# Altium PCB BMS Slave V0.1.PcbDoc (part 1 of 6)
Units mm, origin at the board's own origin, x right, y up, seen from the top; angles counter-clockwise.
Board outline 105 x 163 mm, 4 copper layers (Top Layer, L2 (GND), L3 (PWR), Bottom Layer), stack 1.56 mm thick; 517 components, 382 nets, 1358 pads, 1315 vias.
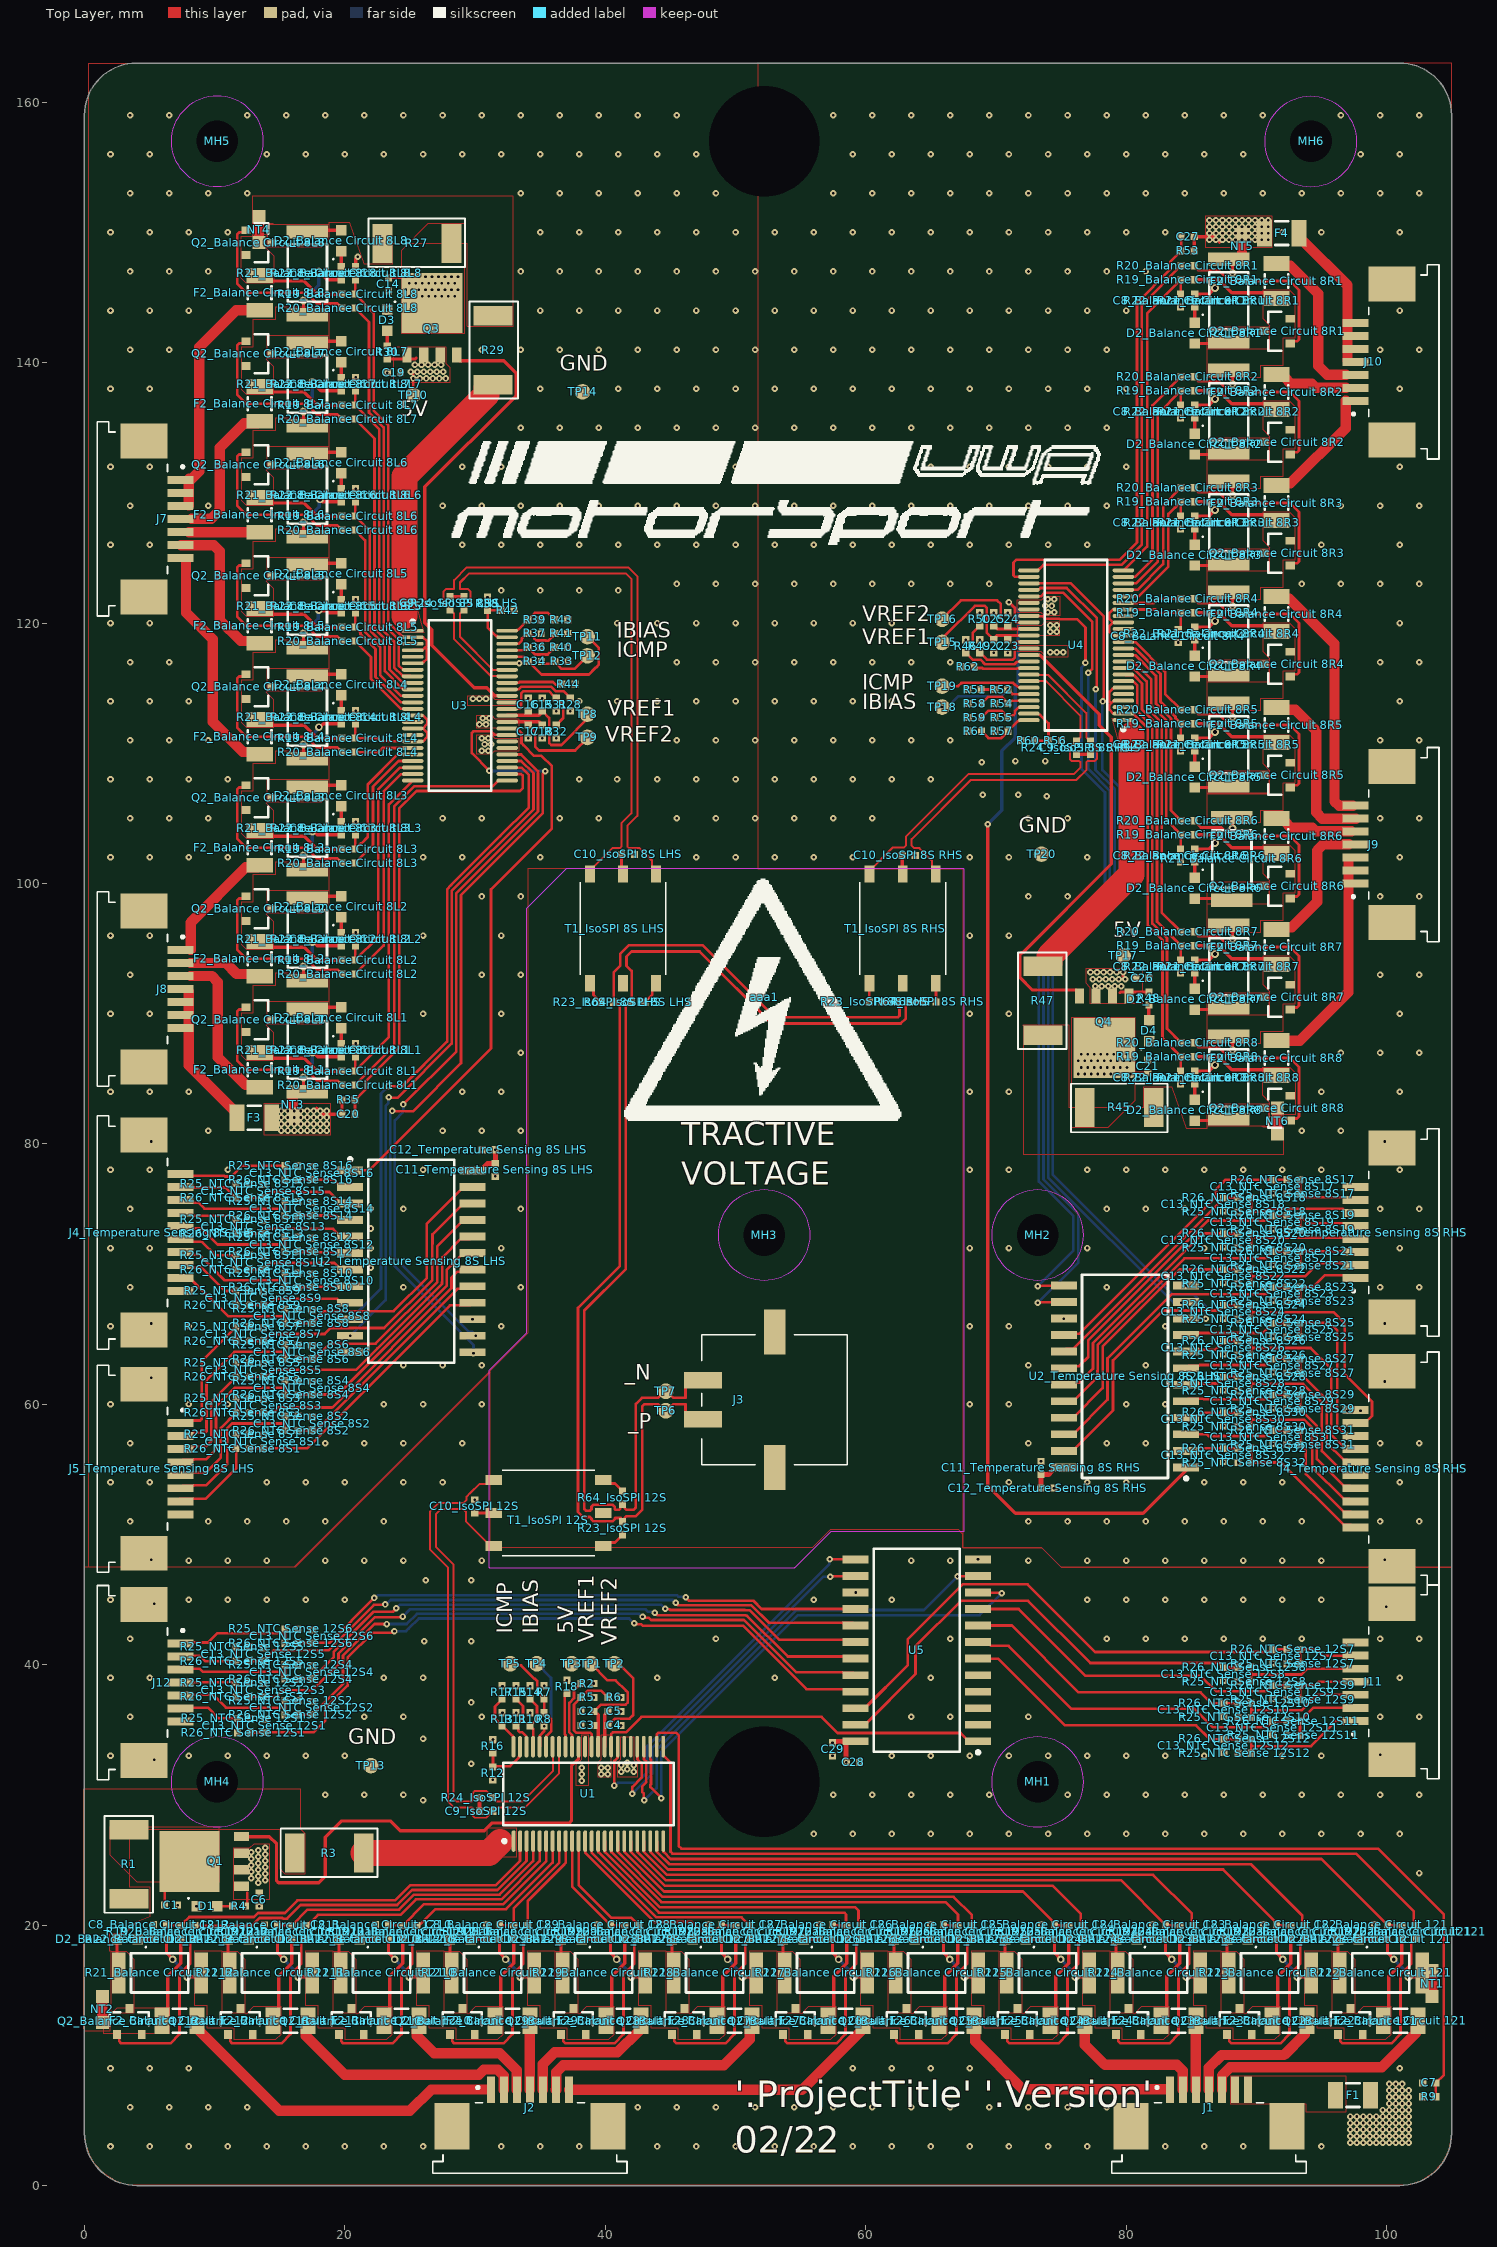
[diagram p0: Top Layer view]
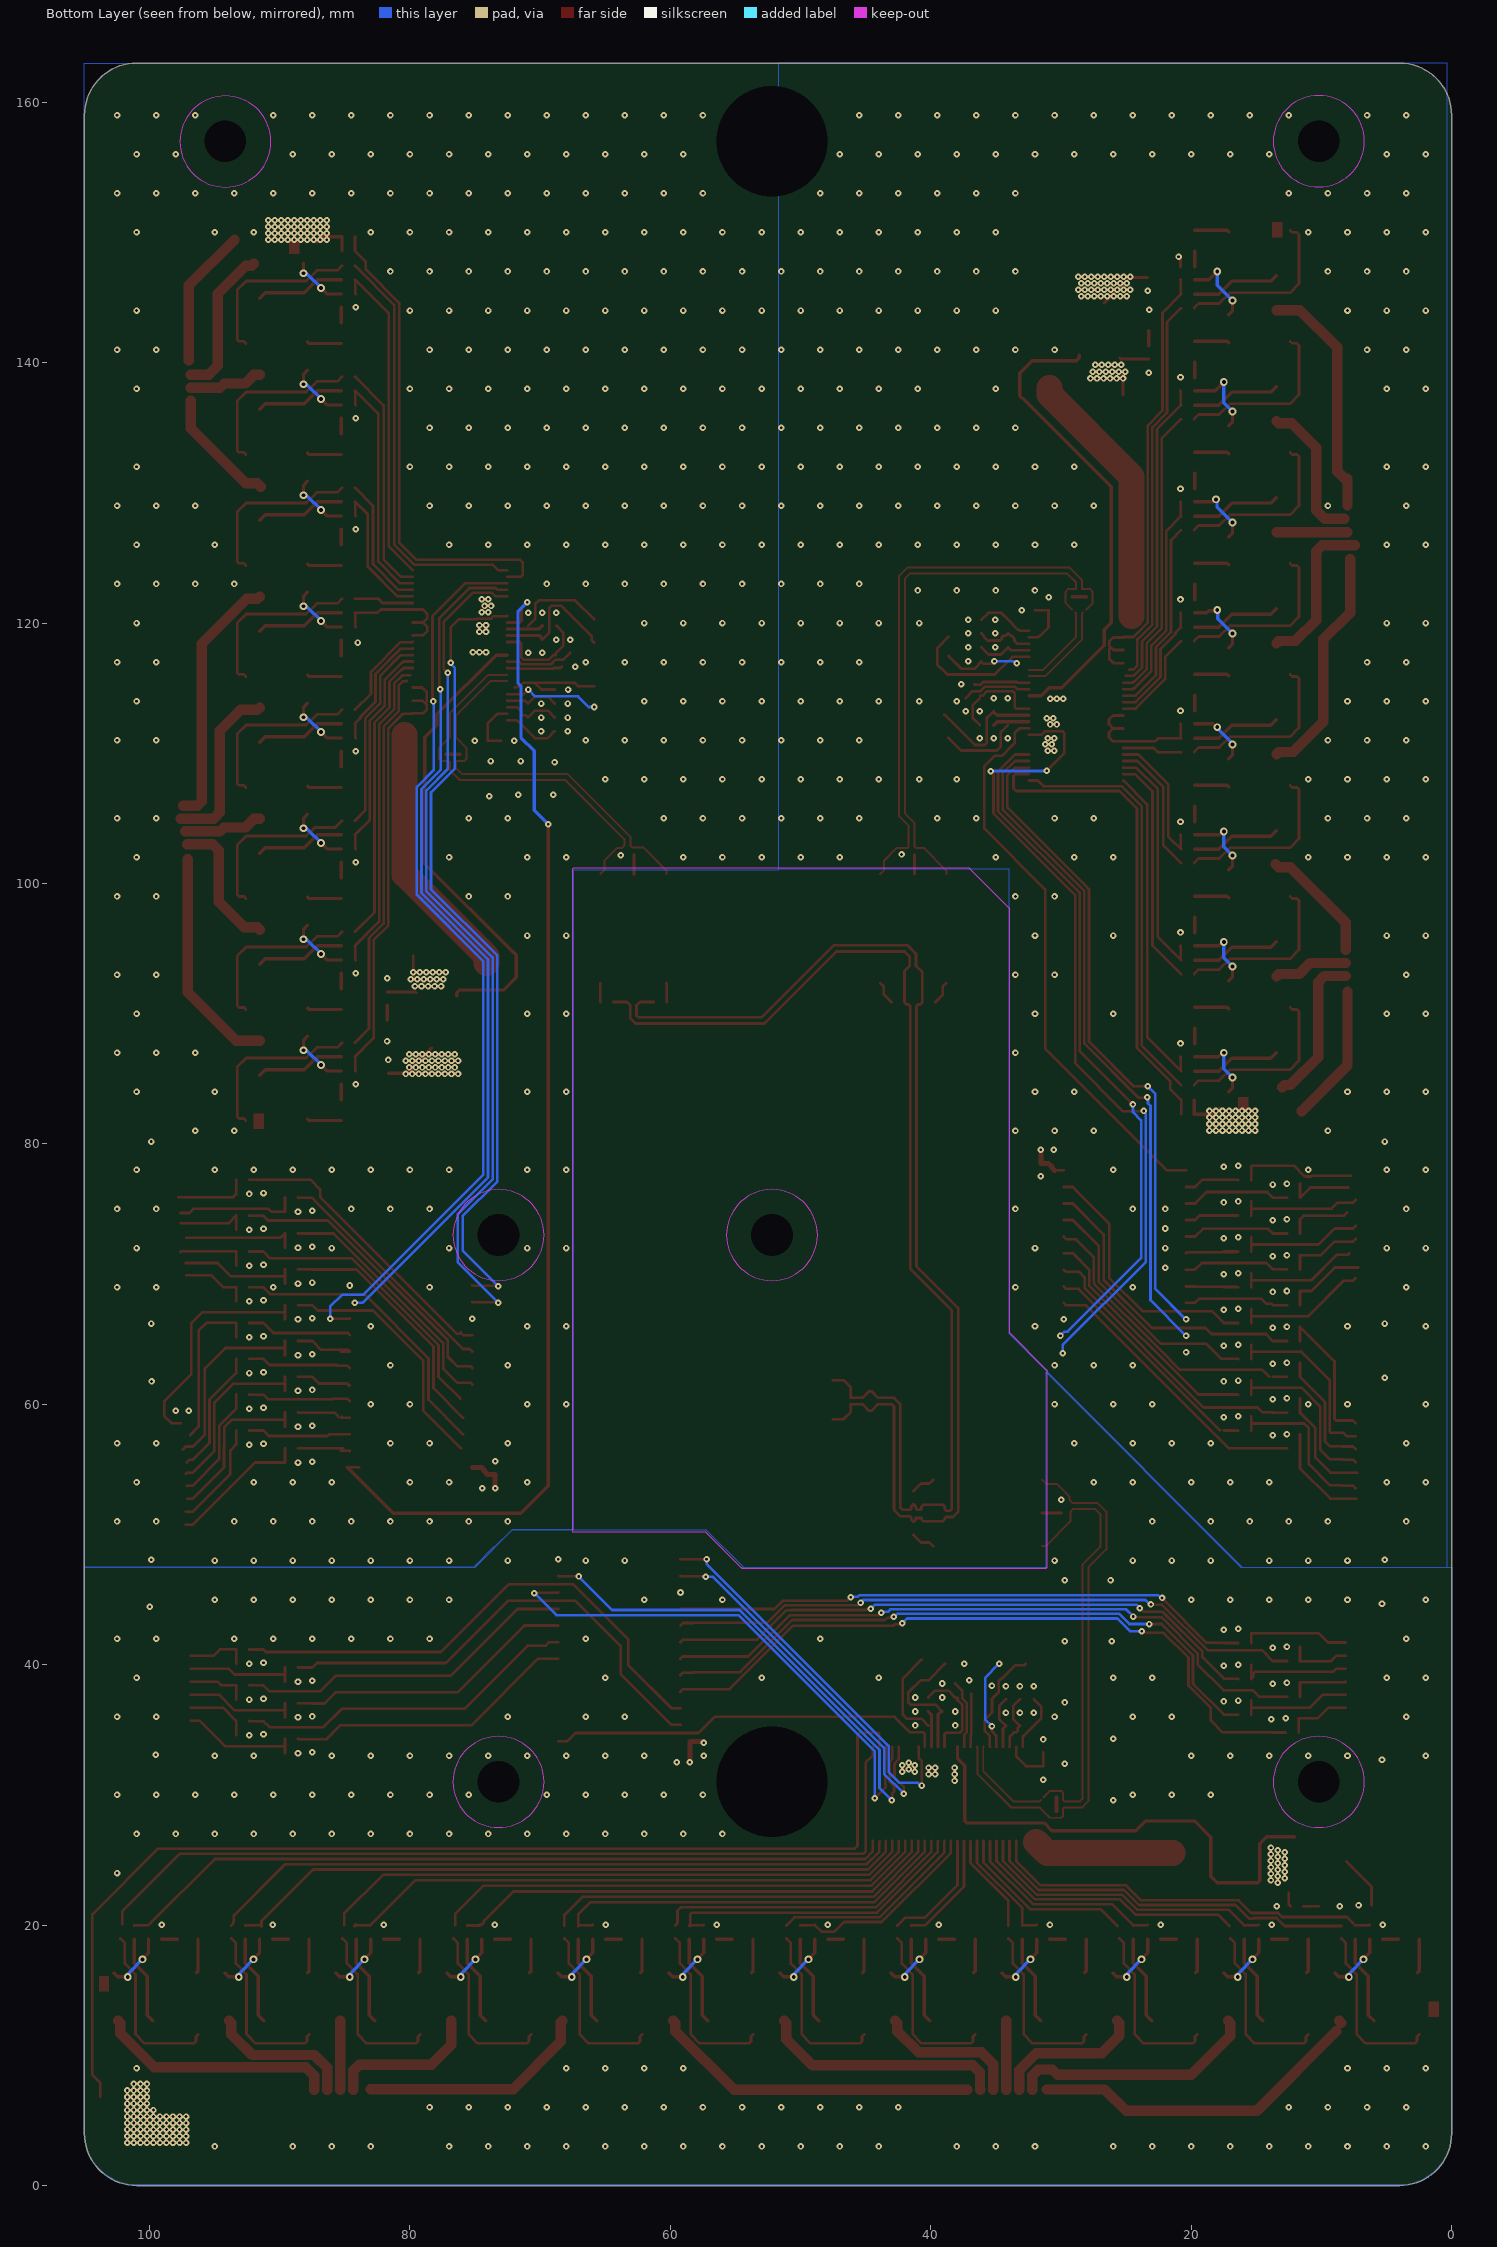
[diagram p1: Bottom Layer view, seen from below]
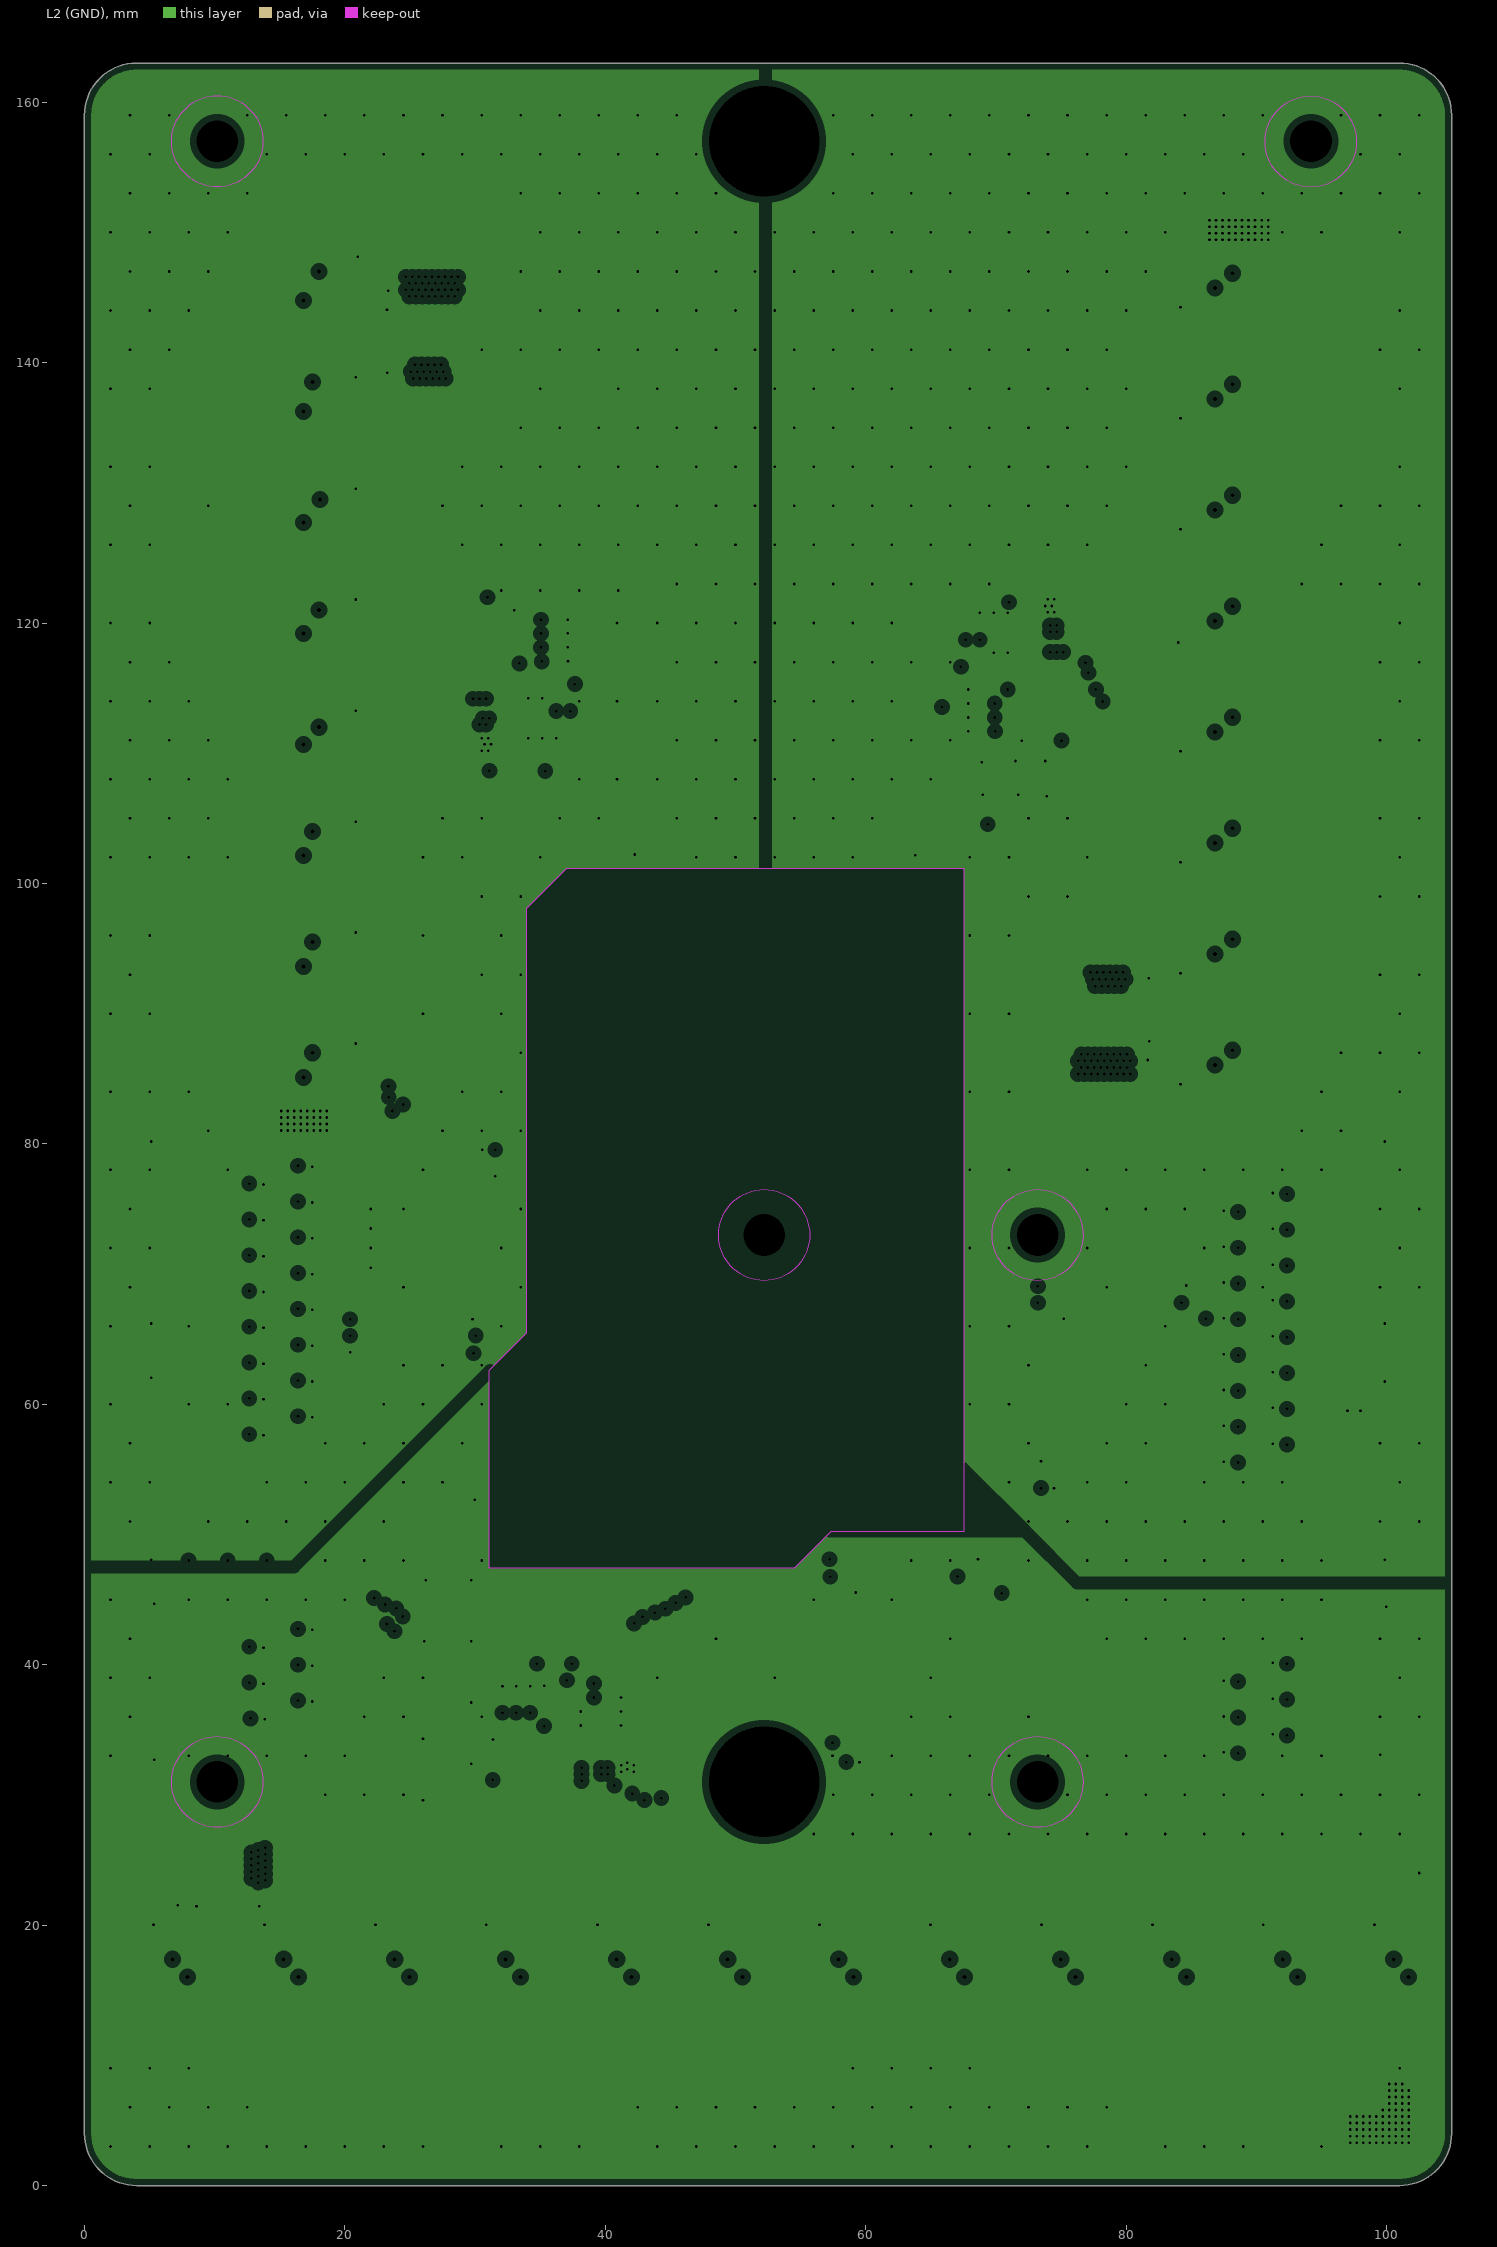
[diagram p2: L2 (GND), clearances drawn from the general rule]
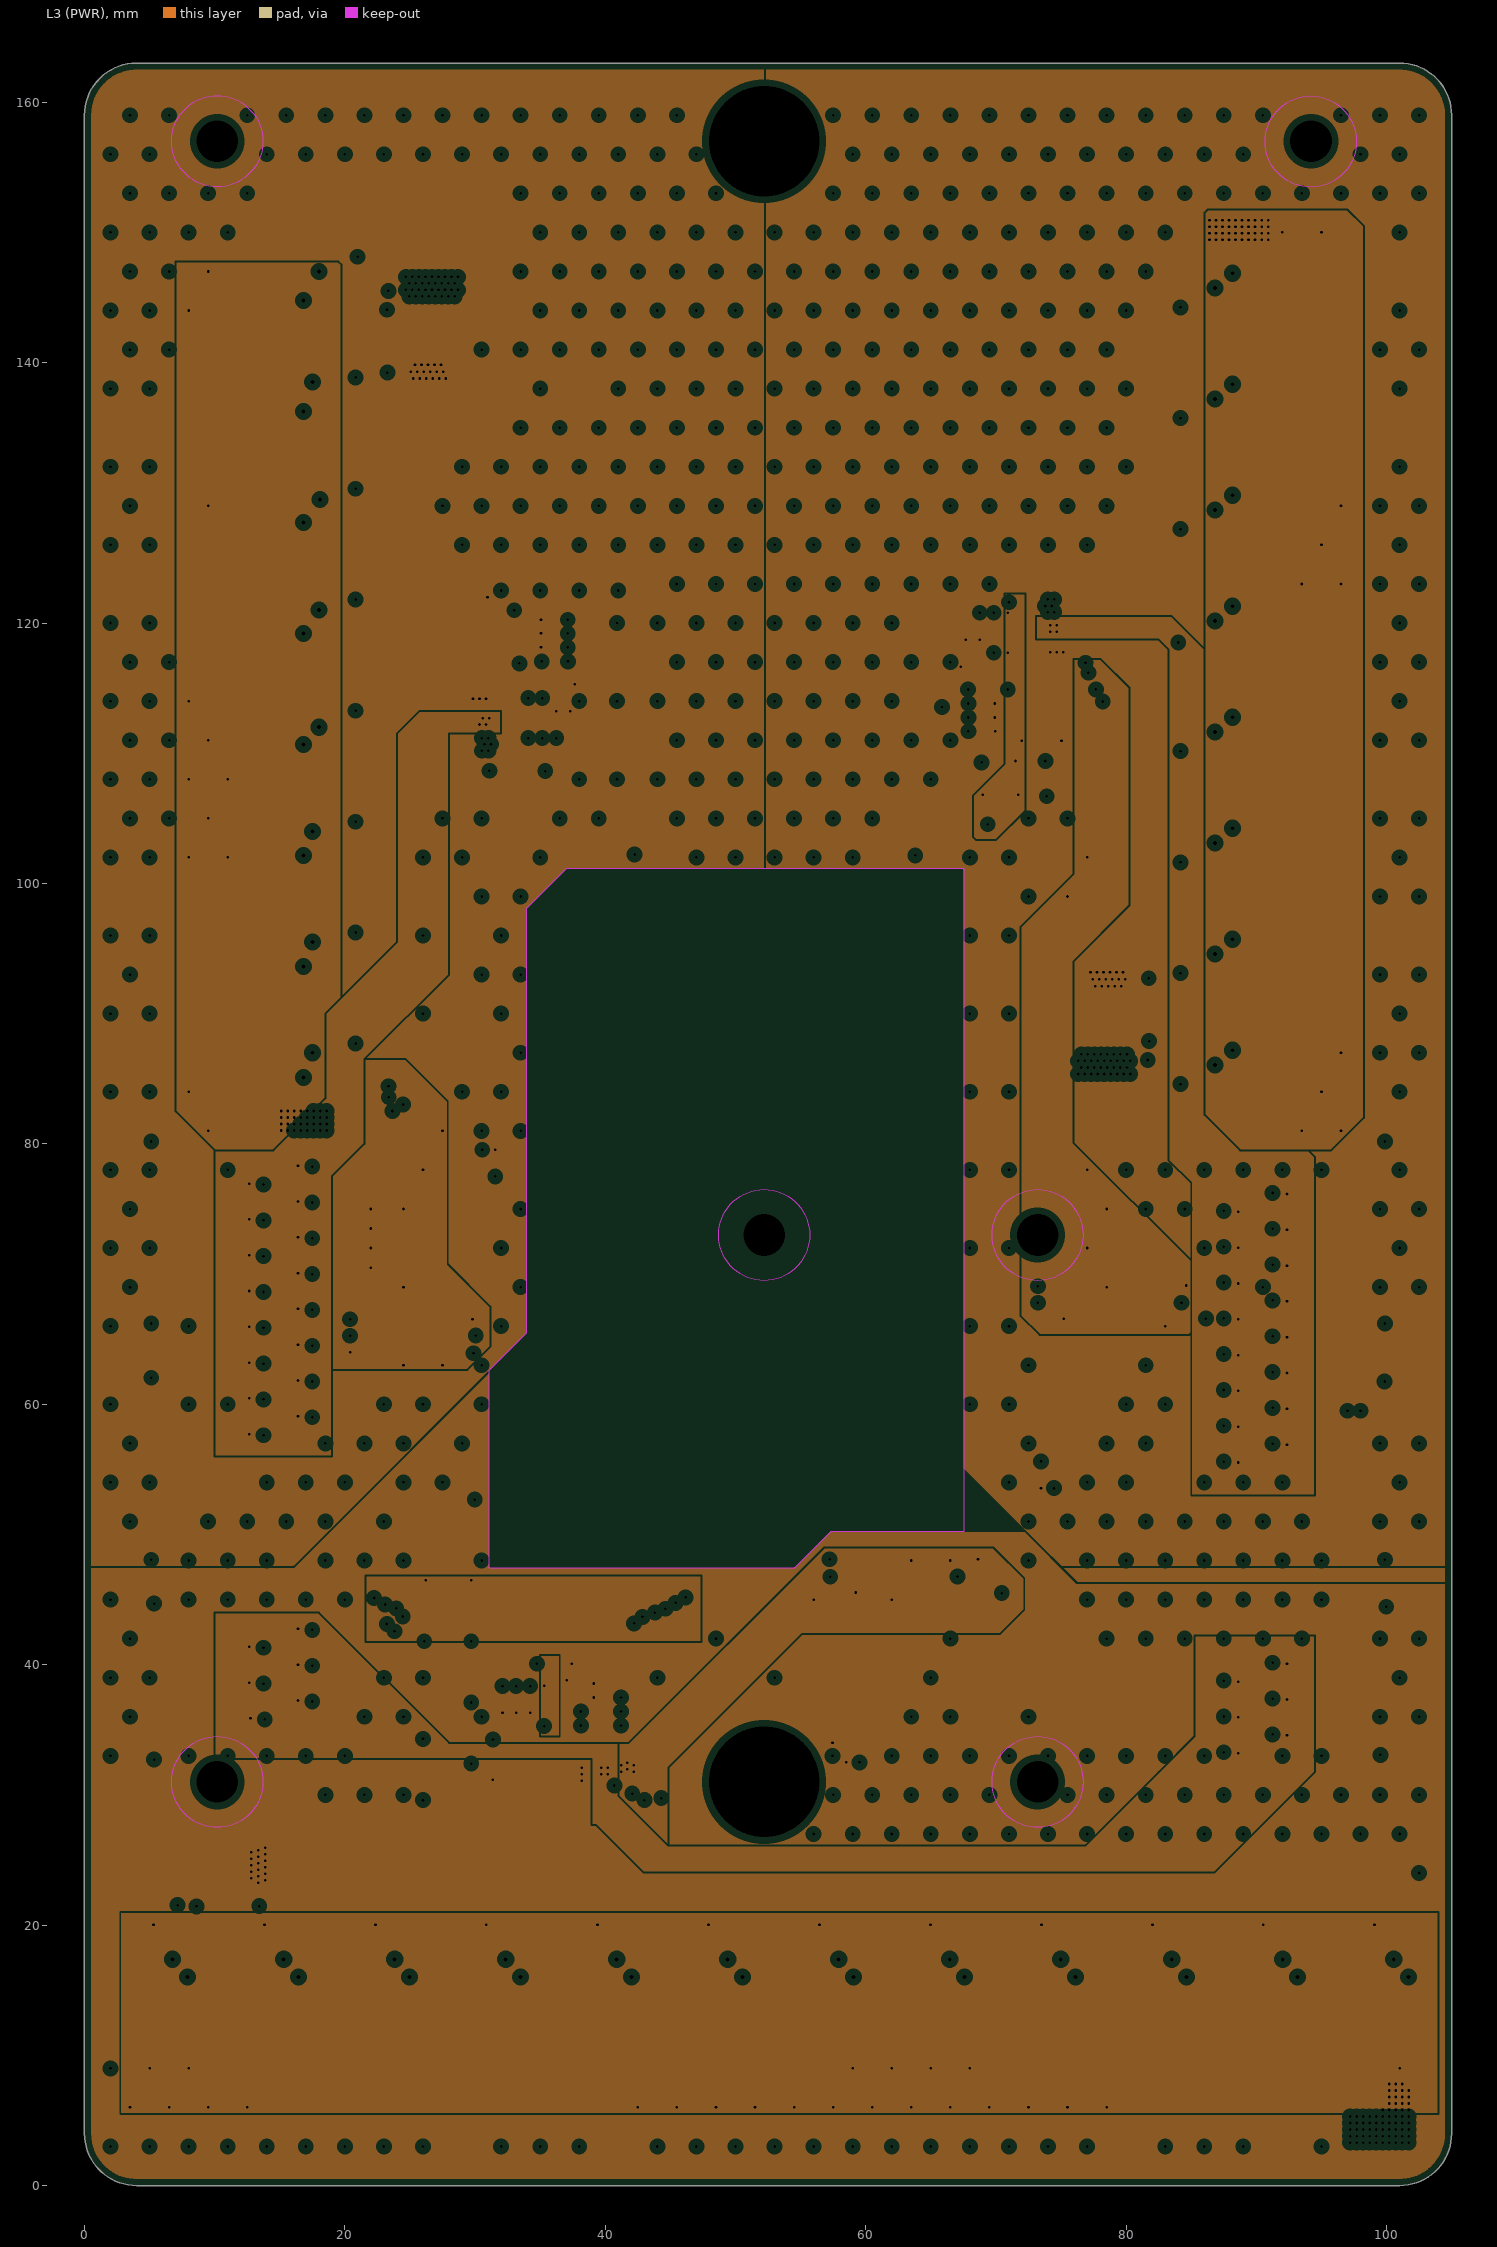
[diagram p3: L3 (PWR), clearances drawn from the general rule]
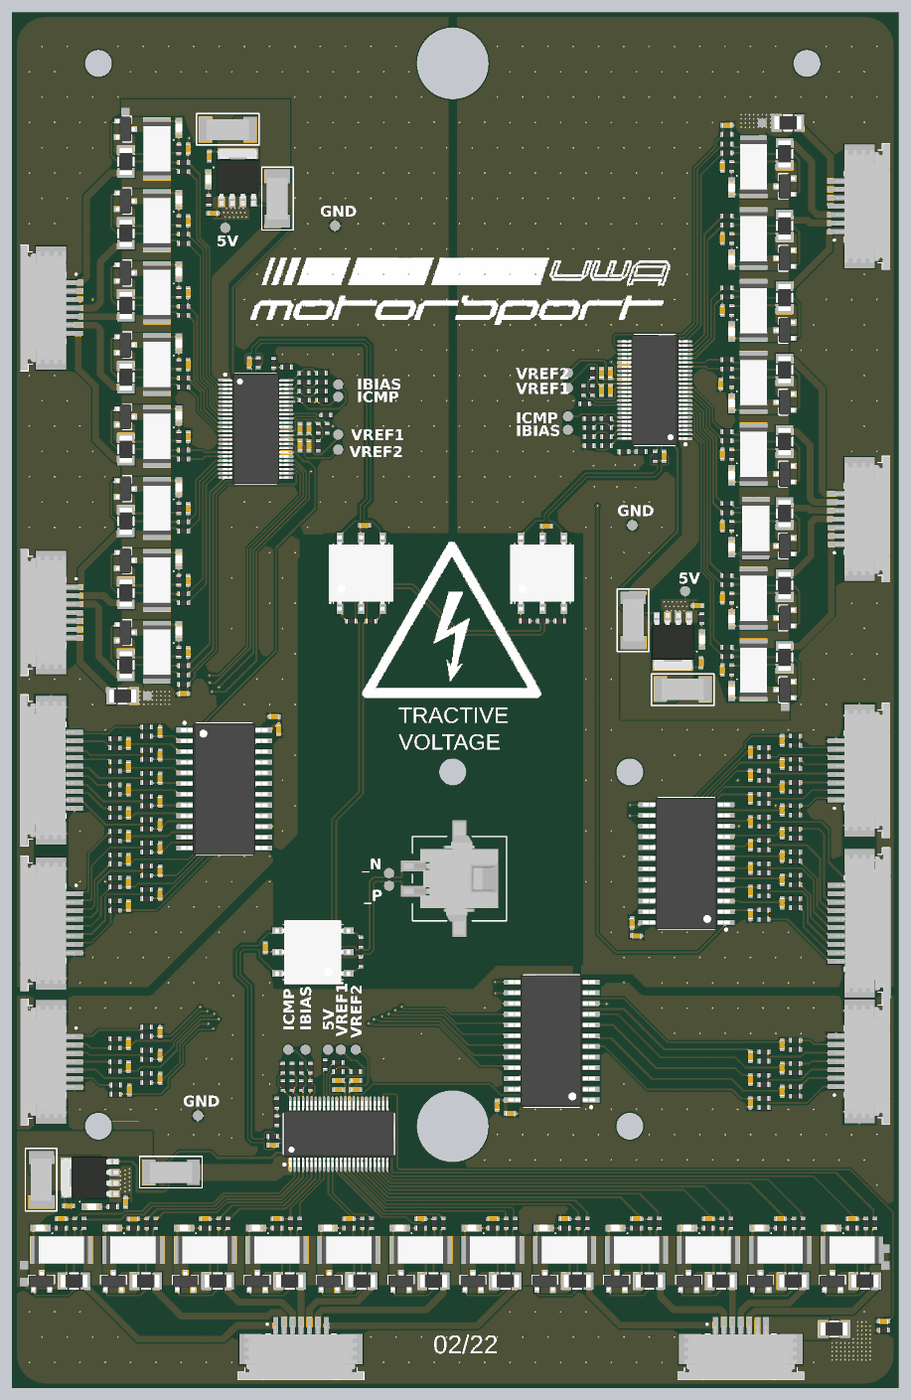
[diagram p9: 3D render of the assembled board from above, using the file's embedded part models]

## Layer stack, top to bottom
Top Solder: solder mask 0.0254, SM-001, Dk 4
Top Layer: signal copper 0.035
Dielectric 1: prepreg 0.11, PP-017, Dk 4.29
L2 (GND): plane copper 0.035, net (Multiple Nets)
Dielectric 2: core 1.2, Core-039, Dk 4.6
L3 (PWR): plane copper 0.035, net (Multiple Nets)
Dielectric 3: prepreg 0.11, PP-017, Dk 4.29
Bottom Layer: signal copper 0.035
Bottom Solder: solder mask 0.0254, SM-001, Dk 4

## Board outline
0,4 0,136 0,159 cw(c4,159) 4,163 101,163 cw(c101,159) 105,159 105,4 cw(c101,4) 101,0 4,0 cw(c4,4)

## Design rules (kind name [scope] priority, off if disabled: settings)
BoardOutlineClearance BoardOutlineClearance_Silk [OnLayer('Top Overlay') or OnLayer('Bottom Overlay')] p1: gap=0 ignorepadtopadclearanceinfootprint=FALSE
BoardOutlineClearance [All] p2: gap=0.5 ignorepadtopadclearanceinfootprint=FALSE except(0: Arc-SplitContinuation Track-SplitContinuation SMDPad-SplitContinuation THPad-SplitContinuation Via-SplitContinuation Fill-SplitContinuation Poly-SplitContinuation Region-SplitContinuation Text-SplitContinuation)
Clearance Clearance_HV [InNet('GND_8R_1') or InNet('GND_12_1') or InNet('GND_8L_1') vs InNet('GND_8R_1') or InNet('GND_12_1') or InNet('GND_8L_1')] p1: gap=0.152 ignorepadtopadclearanceinfootprint=FALSE except(0.127: SMDPad-SMDPad; 0.254: Arc-Text Arc-Hole Track-Text Track-Hole SMDPad-Hole; 0.3: Via-Via Via-Hole; 1: Fill-Fill Fill-Poly Fill-Region Poly-Poly Poly-Region Region-Region)
Clearance Clearance_MH [OnLayer('Keep-Out Layer') vs HasFootprint('M3 MH')] p2: gap=0 ignorepadtopadclearanceinfootprint=FALSE
Clearance Clearance_Coplanar [InDifferentialPairClass('isoSPI')] p3: gap=0.152 ignorepadtopadclearanceinfootprint=FALSE except(0.127: SMDPad-SMDPad; 0.254: Arc-Text Arc-Hole Track-Text Track-Hole SMDPad-Hole; 0.3: Via-Via Via-Hole; 0.305: Arc-Fill Arc-Poly Arc-Region Track-Fill Track-Poly Track-Region)
Clearance Clearance_NT [HasFootprint('NetTie')] p4: gap=0 ignorepadtopadclearanceinfootprint=FALSE
Clearance [All] p5: gap=0.152 ignorepadtopadclearanceinfootprint=FALSE except(0.127: SMDPad-SMDPad; 0.254: Arc-Text Arc-Hole Track-Text Track-Hole SMDPad-Hole; 0.3: Via-Via Via-Hole)
ComponentClearance ComponentClearance_Silkscreen [HasFootprint('Tractive voltage')] p1: gap=0 collisioncheckmode=3 verticalgap=0 showdistances=FALSE
ComponentClearance ComponentClearance_TP [HasFootprint('Test Point') vs HasFootprint('Test Point')] p2: gap=0 collisioncheckmode=3 verticalgap=0 showdistances=FALSE
ComponentClearance ComponentClearance-NT [HasFootprint('NetTie')] p3: gap=0 collisioncheckmode=3 verticalgap=0 showdistances=FALSE
ComponentClearance [All] p4: gap=0.254 collisioncheckmode=3 verticalgap=0.254 showdistances=FALSE
DiffPairsRouting DiffPairsRouting-isoSPI_BUS [InDifferentialPairClass('isoSPI_BUS')] p1: maxlimit=0.279 minlimit=0.203 mostfreqgap=0.279 toplayer_minwidth=0.203 toplayer_maxwidth=0.203 toplayer_prefwidth=0.203 bottomlayer_minwidth=0.203 bottomlayer_maxwidth=0.203 bottomlayer_prefwidth=0.203 maxuncoupledlength=12.7
DiffPairsRouting DiffPairsRouting-isoSPI [InDifferentialPairClass('isoSPI')] p2: maxlimit=0.305 minlimit=0.203 mostfreqgap=0.305 toplayer_minwidth=0.152 toplayer_maxwidth=0.152 toplayer_prefwidth=0.152 bottomlayer_minwidth=0.152 bottomlayer_maxwidth=0.152 bottomlayer_prefwidth=0.152 impedanceprofiledriven=TRUE impedanceprofileid={82F16165-F5D3-447F-A3F4-D43A78B9FBEB} impedanceprofilevalue=100.000000 maxuncoupledlength=100
HoleSize [All] p1: absolutevalues=TRUE maxlimit=10 minlimit=0.2 maxpercent=80.000 minpercent=20.000
HoleToHoleClearance [All] p1: gap=0.3 allowstackedmicrovias=FALSE
MinimumAnnularRing [All] p1: minimumring=0.15
MinimumSolderMaskSliver [All] p1: minsoldermaskwidth=0
PlaneClearance [All] p1: clearance=0.508
PlaneConnect [All] p1: planeconnectstyle=Direct reliefexpansion=0.508 reliefentries=4 reliefconductorwidth=0.254 reliefairgap=0.254
PolygonConnect PolygonConnect-0402 [HasFootprint('C_0402') or HasFootprint('R_0402')] p1: thpad.connectstyle=Direct thpad.reliefconductorwidth=0.254 thpad.reliefentries=4 thpad.polygonreliefangle="90 Angle" thpad.airgapwidth=0.254 smdpad.connectstyle=Relief smdpad.reliefconductorwidth=0.254 smdpad.reliefentries=4 smdpad.polygonreliefangle="90 Angle" smdpad.airgapwidth=0.254 via.connectstyle=Direct via.reliefconductorwidth=0.254 via.reliefentries=4 via.polygonreliefangle="90 Angle" via.airgapwidth=0.254
PolygonConnect "Power Connect" [InNetClass('BalanceNetClass') OR InNetClass('HighCurrent') OR HasFootprint('SSOP50P780X200-48N')OR HasFootprint('0466.500NR') OR HasFootprint('NetTie')] p2: connectstyle=Direct reliefconductorwidth=0.254 reliefentries=4 polygonreliefangle="90 Angle" airgapwidth=0.254
PolygonConnect PolygonConnect_ThermalRelief [All] p3: thpad.connectstyle=Direct thpad.reliefconductorwidth=0.254 thpad.reliefentries=4 thpad.polygonreliefangle="90 Angle" thpad.airgapwidth=0.254 smdpad.connectstyle=Relief smdpad.reliefconductorwidth=0.254 smdpad.reliefentries=4 smdpad.polygonreliefangle="90 Angle" smdpad.airgapwidth=0.254 via.connectstyle=Direct via.reliefconductorwidth=0.254 via.reliefentries=4 via.polygonreliefangle="90 Angle" via.airgapwidth=0.254
RoomDefinition "Temperature Sensing 8S RHS" [InComponentClass('Temperature Sensing 8S RHS')] p1: confinementstyle=ConfineIn formatcopy=TRUE lockcomponents=FALSE outline 72.65,45.55 106.475,45.55 106.475,81.7 72.65,81.7
RoomDefinition "Cell Monitor 8S LHS" [InComponentClass('Cell Monitor 8S LHS')] p2: confinementstyle=ConfineIn formatcopy=TRUE lockcomponents=FALSE outline -1.5,80 40,80 40,152 -1.5,152
RoomDefinition "Cell Monitor 8S RHS" [InComponentClass('Cell Monitor 8S RHS')] p3: confinementstyle=ConfineIn formatcopy=TRUE lockcomponents=FALSE outline 64.5,80 106.5,80 106.5,152 64.5,152
RoomDefinition "Cell Monitor 12S" [InComponentClass('Cell Monitor 12S')] p4: confinementstyle=ConfineIn formatcopy=TRUE lockcomponents=FALSE outline 0.5,-1.5 105,-1.5 105,41 0.5,41
RoomDefinition "Temperature Sensing 8S LHS" [InComponentClass('Temperature Sensing 8S LHS')] p5: confinementstyle=ConfineIn formatcopy=TRUE lockcomponents=FALSE outline -1.5,46 32.5,46 32.5,82.5 -1.5,82.5
RoomDefinition "Temperature Sensing 12S RHS" [InComponentClass('Temperature Sensing 12S RHS')] p6: confinementstyle=ConfineIn formatcopy=TRUE lockcomponents=FALSE outline -1.475,30.625 106.475,30.625 106.475,49.45 -1.475,49.45
RoomDefinition "Balance Circuit 1212" [InComponentClass('Balance Circuit 1212')] p7: confinementstyle=ConfineIn formatcopy=TRUE lockcomponents=FALSE outline 10.05,10.55 10.05,20.85 1.525,20.85 1.525,10.55
RoomDefinition "BMS Slave V0.1" [InComponentClass('BMS Slave V0.1')] p8: confinementstyle=ConfineIn formatcopy=TRUE lockcomponents=FALSE outline 6.425,27.225 97.95,27.225 97.95,160.775 6.425,160.775
RoomDefinition "NTC Sense 12S7" [InComponentClass('NTC Sense 12S7')] p9: confinementstyle=ConfineIn formatcopy=TRUE lockcomponents=FALSE outline 94.175,42 90.425,42 90.425,39.25 94.175,39.25
RoomDefinition "NTC Sense 12S9" [InComponentClass('NTC Sense 12S9')] p10: confinementstyle=ConfineIn formatcopy=TRUE lockcomponents=FALSE outline 94.175,39.251 90.425,39.251 90.425,36.501 94.175,36.501
RoomDefinition "NTC Sense 12S11" [InComponentClass('NTC Sense 12S11')] p11: confinementstyle=ConfineIn formatcopy=TRUE lockcomponents=FALSE outline 94.175,36.501 90.425,36.501 90.425,33.751 94.175,33.751
RoomDefinition "NTC Sense 12S10" [InComponentClass('NTC Sense 12S10')] p12: confinementstyle=ConfineIn formatcopy=TRUE lockcomponents=FALSE outline 90.425,37.876 86.675,37.876 86.675,35.126 90.425,35.126
RoomDefinition "NTC Sense 12S8" [InComponentClass('NTC Sense 12S8')] p13: confinementstyle=ConfineIn formatcopy=TRUE lockcomponents=FALSE outline 90.425,40.625 86.675,40.625 86.675,37.875 90.425,37.875